# Altium PCB 电解模块主控板_V1.1_ZM_20211015.PcbDoc (part 3 of 4)
Units mm, origin at the board's own origin, x right, y up, seen from the top; angles counter-clockwise.
Board outline 150.25 x 100.26 mm, 2 copper layers (Top Layer, Bottom Layer); 200 components, 151 nets, 656 pads, 1528 vias.
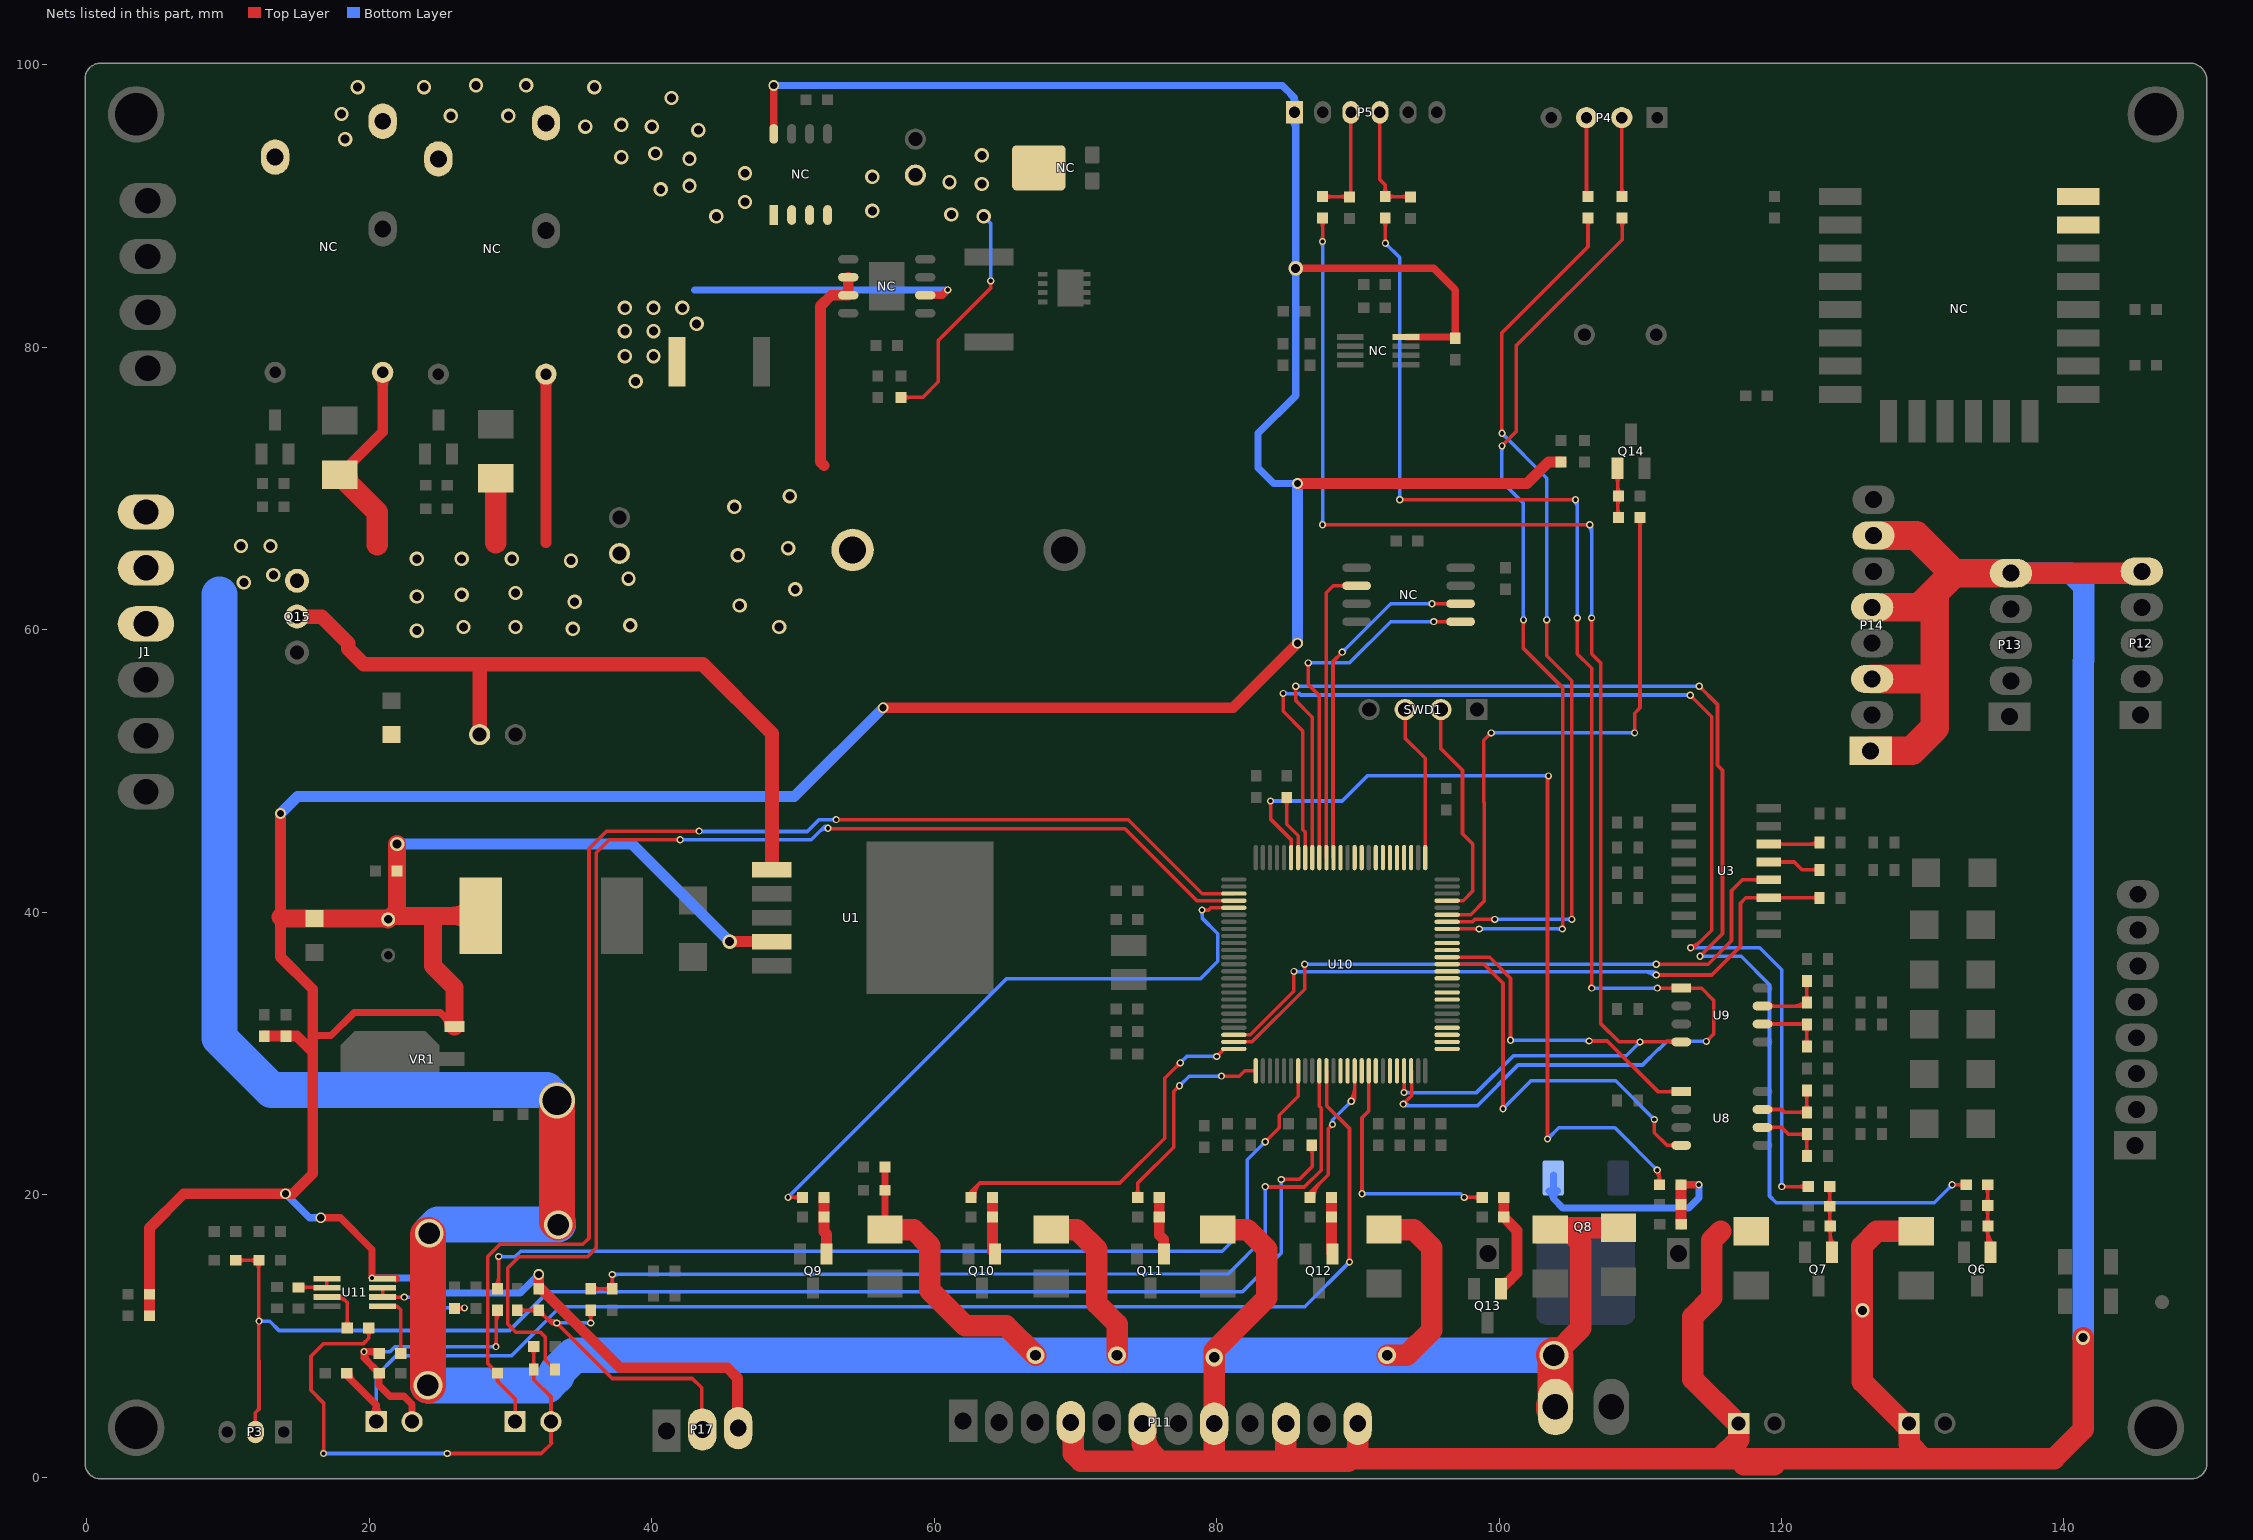
[diagram p3: the nets of this part, all layers, seen from the top]

## Via types
v1: diameter 0.762, hole 0.508, Top Layer to Bottom Layer, tented both sides, 1181 vias
v2: diameter 1.016, hole 0.635, Top Layer to Bottom Layer, tented both sides, 189 vias
v3: diameter 0.508, hole 0.305, Top Layer to Bottom Layer, tented both sides, 149 vias
v4: diameter 2.032, hole 1.524, Top Layer to Bottom Layer, tented both sides, 4 vias
v5: diameter 1.27, hole 0.762, Top Layer to Bottom Layer, tented both sides, 4 vias
v6: diameter 2.54, hole 2.032, Top Layer to Bottom Layer, tented both sides, 1 vias

## Nets (pads, with @x,y where several pads share a name; then routed paths per layer and width w, separated by ;. In a path a pad name is that pad's centre, name@x,y a point inside that pad or via, vN(x,y) a via of type N, cw(c..) or ccw(c..) an arc to the next point about the centre after c; other vN are vias at no path point) (continued)
NetNC_2: NC.2@84.709,78.74 NC.7@49.911,95.123 | length 57.1
  Top Layer w0.254: NC.7@49.776,95.639 ccw(c49.451,95.964) 49.911,95.964 ccw(c50.371,95.964) NC.7@50.046,95.639 ; v3@49.821,96.303 cw(c49.604,96.086) 49.911,96.086 cw(c50.218,96.086) v3@50.001,96.303 ; NC.7@49.911,95.123 v3(49.911,96.393) ; v3@82.079,96.303 cw(c81.862,96.086) 82.169,96.086 cw(c82.476,96.086) v3@82.259,96.303 ; v3(82.169,96.393) 82.169,79.121 82.55,78.74 NC.2@84.709,78.74 ; NC.2@84.529,78.56 ccw(c84.096,78.127) 84.096,78.74 ccw(c84.096,79.353) NC.2@84.529,78.92
  Bottom Layer w0.254: v3(49.911,96.393) v3(82.169,96.393) ; v3@50.001,96.303 cw(c50.218,96.086) 50.218,96.393 cw(c50.218,96.7) v3@50.001,96.483 ; v3@82.079,96.303 ccw(c81.862,96.086) 81.862,96.393 ccw(c81.862,96.7) v3@82.079,96.483
NetNC_2: NC.2@119.507,89.154 NC.3@124.155,86.678 | length 7.7
  Top Layer w0.254: NC.2@119.327,88.955 cw(c118.894,88.522) 119.507,88.522 cw(c120.12,88.522) NC.2@119.687,88.955 ; NC.2@119.507,89.154 119.507,87.376 120.205,86.678 NC.3@124.155,86.678
NetNC_2: NC.2@145.034,82.677 NC.18 | length 5
  Top Layer w0.254: NC.18@141.021,82.678 NC.2@145.034,82.677 NC.2@145.034,82.677 ; 144.399,82.678 cw(c144.399,82.061) NC.2@144.835,82.497 ; 144.404,82.678 ccw(c144.404,83.288) NC.2@144.835,82.857
NetNC_2: NC.2@89.916,63.119 U10.90 | length 21.8
  Top Layer w0.254: U10.90@87.773,43.872 87.773,62.627 88.265,63.119 NC.2@89.916,63.119 ; NC.2@89.079,62.993 ccw(c88.776,62.69) 88.776,63.119 ccw(c88.776,63.548) NC.2@89.079,63.245
NetNC_5: NC.5@97.282,60.579 U10.91 | length 28.7
  Top Layer w0.254: v3@86.397,57.568 cw(c86.18,57.351) 86.487,57.351 cw(c86.794,57.351) v3@86.577,57.568 ; v3(86.487,57.658) 86.487,56.134 87.273,55.348 U10.91@87.273,43.872 ; v3(95.377,60.579) NC.5@97.282,60.579 ; v3@95.467,60.489 cw(c95.684,60.272) 95.684,60.579 cw(c95.684,60.886) v3@95.467,60.669 ; NC.5@96.445,60.453 ccw(c96.142,60.15) 96.142,60.579 ccw(c96.142,61.008) NC.5@96.445,60.705
  Bottom Layer w0.254: v3(86.487,57.658) 89.408,57.658 92.329,60.579 v3(95.377,60.579) ; v3@86.577,57.568 cw(c86.794,57.351) 86.794,57.658 cw(c86.794,57.965) v3@86.577,57.748 ; v3@95.287,60.489 ccw(c95.07,60.272) 95.07,60.579 ccw(c95.07,60.886) v3@95.287,60.669
NetNC_6: NC.6@97.282,61.849 U10.89 | length 27.2
  Top Layer w0.254: U10.89@88.273,43.872 88.24,43.905 88.24,57.76 v3(88.9,58.42) ; v3@88.773,58.42 cw(c88.466,58.42) 88.683,58.203 cw(c88.9,57.986) v3@88.9,58.293 ; v3(95.25,61.849) NC.6@97.282,61.849 ; v3@95.34,61.759 cw(c95.557,61.542) 95.557,61.849 cw(c95.557,62.156) v3@95.34,61.939 ; NC.6@96.445,61.723 ccw(c96.142,61.42) 96.142,61.849 ccw(c96.142,62.278) NC.6@96.445,61.975
  Bottom Layer w0.254: v3(88.9,58.42) 92.329,61.849 v3(95.25,61.849) ; v3@88.9,58.547 ccw(c88.9,58.854) 89.117,58.637 ccw(c89.334,58.42) v3@89.027,58.42 ; v3@95.16,61.759 ccw(c94.943,61.542) 94.943,61.849 ccw(c94.943,62.156) v3@95.16,61.939
NetNC_21: NC.21
NetNC_22: NC.22
NetP1_1: P1.1 TVS5.2 U10.36 | length 97.4
  Top Layer w0.254: U10.36@87.773,28.772 87.808,28.737 87.808,26.289 89.408,24.689 v3(89.408,15.24) ; v3@89.318,15.33 ccw(c89.101,15.547) 89.408,15.547 ccw(c89.715,15.547) v3@89.498,15.33
  Top Layer w0.508: TVS5.2@18.415,7.366 18.415,7.188 20.498,5.105 ; TVS5.2@18.561,7.366 ccw(c19.343,7.366) 18.79,6.813 ; P1.1@20.153,4.294 ccw(c19.37,5.105) 20.498,5.105 ; P1.1@20.498,3.937 20.498,5.105 ; P1.1@20.842,4.294 cw(c21.626,5.105) 20.498,5.105
  Bottom Layer w0.254: P1.1@20.498,3.937 20.498,7.188 21.895,8.585 30.048,8.585 33.528,12.065 86.233,12.065 v3(89.408,15.24) ; v3@89.281,15.24 cw(c88.974,15.24) 89.191,15.023 cw(c89.408,14.806) v3@89.408,15.113
NetP1_2: P1.2 R14.2 R16.1 TVS6.2 | length 24
  Top Layer w0.254: v3@28.892,9.335 ccw(c28.675,9.552) 28.981,9.552 ccw(c29.288,9.552) v3@29.071,9.335 ; R14.2@28.903,11.612 cw(c28.715,11.424) R14.2@28.981,11.424 ; v3(28.981,9.246) 28.981,11.709 R14.2@29.083,11.811 ; 28.981,10.934 cw(c29.941,10.934) R14.2@29.263,11.612
  Top Layer w0.508: 19.957,8.11 cw(c20.738,8.89) v3(19.634,8.89) ; 20.069,8.89 cw(c20.069,8.15) R16.1@20.592,8.673 ; R16.1@20.701,8.763 20.574,8.89 v3(19.634,8.89) ; P1.2@23.038,3.937 23.038,5.156 22.466,5.728 21.467,5.728 20.701,6.494 TVS6.2@20.701,7.366 19.634,8.433 v3(19.634,8.89)
  Bottom Layer w0.254: v3(19.634,8.89) 21.463,8.89 21.819,9.246 v3(28.981,9.246) ; v3@19.724,8.8 cw(c19.941,8.583) 19.941,8.89 cw(c19.941,9.197) v3@19.724,8.98 ; v3@28.892,9.156 ccw(c28.675,8.939) 28.675,9.246 ccw(c28.675,9.552) v3@28.892,9.335
NetP2_1: P2.1 TVS7.2 U10.3 | length 99.1
  Top Layer w0.254: TVS7.2@28.91,7.18 cw(c28.538,6.782) 29.083,6.782 ; TVS7.2@29.256,7.18 ccw(c29.628,6.782) 29.083,6.782 ; P2.1@30.328,3.937 30.328,5.537 29.083,6.782 ; v3@43.268,45.656 ccw(c43.051,45.439) 43.051,45.745 ccw(c43.051,46.052) v3@43.268,45.835 ; v3(43.358,45.745) 36.805,45.745 35.56,44.501 35.56,16.916 35.128,16.485 29.261,16.485 28.397,15.621 28.397,8.052 TVS7.2@29.083,7.366 29.083,6.782 ; v3(53.061,46.558) 73.736,46.558 78.972,41.322 U10.3@81.223,41.322 ; v3@53.15,46.468 cw(c53.367,46.252) 53.367,46.558 cw(c53.367,46.865) v3@53.15,46.648
  Bottom Layer w0.254: v3(43.358,45.745) 43.383,45.72 51.003,45.72 51.841,46.558 v3(53.061,46.558) ; v3@43.448,45.835 ccw(c43.726,46.113) 43.726,45.72 ; v3@52.971,46.468 ccw(c52.754,46.252) 52.754,46.558 ccw(c52.754,46.865) v3@52.971,46.648
NetP2_2: P2.2 R23.2 R25.1 TVS12.2 | length 42
  Top Layer w0.254: v3@16.674,1.766 ccw(c16.457,1.983) 16.764,1.983 ccw(c17.071,1.983) v3@16.854,1.766 ; v3(16.764,1.676) 16.764,5.258 15.875,6.147 15.875,8.56 16.777,9.461 19.596,9.461 19.964,9.83 R25.1@19.964,10.566 ; R25.1@19.785,10.387 cw(c19.351,9.953) 19.964,9.953 cw(c20.578,9.953) R25.1@20.144,10.387 ; v3(25.527,1.676) 32.182,1.676 32.918,2.413 32.868,2.464 P2.2@32.868,3.937 32.868,5.688 31.647,6.909 R23.2@31.647,7.62 ; v3@25.617,1.587 cw(c25.834,1.37) 25.834,1.676 cw(c25.834,1.983) v3@25.617,1.766 ; TVS12.2@31.469,9.066 cw(c31.035,8.632) 31.648,8.632 cw(c32.262,8.632) TVS12.2@31.828,9.066 ; R23.2@31.489,7.387 cw(c31.109,7.007) 31.647,7.007 cw(c32.185,7.007) R23.2@31.805,7.387 ; R23.2@31.489,7.853 ccw(c31.105,8.237) 31.648,8.237 ; R23.2@31.648,7.62 TVS12.2@31.648,9.246 ; 31.648,8.23 ccw(c32.182,8.23) R23.2@31.805,7.853
  Bottom Layer w0.254: v3(16.764,1.676) v3(25.527,1.676) ; v3@16.854,1.587 cw(c17.071,1.37) 17.071,1.676 cw(c17.071,1.983) v3@16.854,1.766 ; v3@25.437,1.587 ccw(c25.22,1.37) 25.22,1.676 ccw(c25.22,1.983) v3@25.437,1.766
NetP3_2: P3.2 R6.2 R8.1 TVS2.2 | length 104.1
  Top Layer w0.254: TVS2.2@10.541,15.367 R6.2@12.192,15.367 12.167,15.342 12.167,8.284 12.192,8.259 12.192,4.826 11.938,4.572 P3.2@11.938,3.2 ; TVS2.2@10.74,15.187 cw(c11.173,14.754) 11.173,15.367 cw(c11.173,15.98) TVS2.2@10.74,15.547 ; R6.2@11.993,15.547 cw(c11.56,15.98) 11.56,15.367 cw(c11.56,14.754) 11.993,15.187 cw(c11.575,14.769) 12.167,14.769 ; 12.167,10.681 cw(c12.56,10.681) v3@12.282,10.959 ; 12.167,11.417 ccw(c12.56,11.417) v3@12.282,11.139 ; 12.167,14.738 cw(c12.802,14.738) R6.2@12.353,15.187 ; v3(84.582,21.082) 85.852,21.082 86.766,21.996 86.766,23.47 R8.1@86.741,23.495 ; v3@84.672,20.992 cw(c84.889,20.775) 84.889,21.082 cw(c84.889,21.389) v3@84.672,21.172 ; R8.1@86.561,23.296 cw(c86.066,22.801) 86.766,22.801 ; 86.766,22.924 cw(c87.293,22.924) R8.1@86.921,23.296
  Bottom Layer w0.254: v3(12.192,11.049) 12.954,11.049 13.614,10.389 29.934,10.389 32.69,13.144 81.852,13.144 84.582,15.875 v3(84.582,21.082) ; v3@12.282,10.959 cw(c12.499,10.742) 12.499,11.049 cw(c12.499,11.356) v3@12.282,11.139 ; v3@84.492,20.992 cw(c84.275,20.775) 84.582,20.775 cw(c84.889,20.775) v3@84.672,20.992
NetP4_2: P4.2 R11.1 | length 6.6
  Top Layer w0.254: R11.1@108.532,90.877 ccw(c108.147,91.262) 108.692,91.262 ; 108.692,91.358 ccw(c109.373,91.358) R11.1@108.892,90.877 ; P4.2@108.692,96.266 108.692,90.698 R11.1@108.712,90.678
NetP4_3: P4.3 R9.1 | length 5.6
  Top Layer w0.254: P4.3@106.192,96.266 106.192,90.785 R9.1@106.299,90.678
NetP5_3: P5.3 R10.1 TVS3.2 | length 9.9
  Top Layer w0.254: R10.1@87.503,90.678 89.383,90.678 TVS3.2@89.408,90.653 89.511,90.755 P5.3@89.511,96.641 ; R10.1@87.683,90.498 cw(c88.116,90.065) 88.116,90.678 cw(c88.116,91.291) R10.1@87.683,90.858 ; 88.779,90.678 cw(c88.779,90.043) TVS3.2@89.228,90.492 ; 88.81,90.678 ccw(c88.81,91.269) TVS3.2@89.228,90.851
NetP5_4: P5.4 R12.1 TVS4.2 | length 10.8
  Top Layer w0.254: P5.4@91.561,96.641 91.561,91.884 91.928,91.516 91.928,90.698 R12.1@91.948,90.678 93.701,90.678 TVS4.2@93.726,90.653 ; R12.1@91.768,90.877 ccw(c91.383,91.262) 91.928,91.262 ; 91.928,91.358 ccw(c92.609,91.358) R12.1@92.128,90.877 ; R12.1@92.128,90.498 cw(c92.561,90.065) 92.561,90.678 cw(c92.561,91.291) R12.1@92.128,90.858 ; 93.097,90.678 cw(c93.097,90.043) TVS4.2@93.546,90.492 ; 93.128,90.678 ccw(c93.128,91.269) TVS4.2@93.546,90.851
NetP17_2: P17.2 R19.1 R50.2 TVS11.2 | length 28.6
  Top Layer w0.254: TVS11.2@30.48,11.811 R50.2@32.004,11.811 32.893,10.922 v3(33.274,10.922) 37.211,6.985 42.875,6.985 43.536,6.325 P17.2@43.536,4.091 ; TVS11.2@30.66,11.631 cw(c31.093,11.198) 31.093,11.811 cw(c31.093,12.424) TVS11.2@30.66,11.991 ; R50.2@31.824,11.631 ccw(c31.391,11.198) 31.391,11.811 ccw(c31.391,12.424) R50.2@31.824,11.991 ; R50.2@32.004,11.538 cw(c32.004,10.879) 32.47,11.345 ; R50.2@32.258,11.792 ccw(c32.825,11.792) 32.424,11.391 ; 32.407,11.408 ccw(c33.274,12.275) v3@33.274,11.049 ; 32.84,10.975 ccw(c33.274,11.408) 33.274,10.795 cw(c33.274,10.488) 33.491,10.705 cw(c33.708,10.922) v3@33.401,10.922 ; v3@33.184,10.832 ccw(c32.967,10.615) 32.967,10.922 ccw(c32.967,11.229) v3@33.184,11.012 ; R19.1@35.507,11.612 cw(c35.074,11.179) 35.687,11.179 cw(c36.3,11.179) R19.1@35.867,11.612 ; v3@35.597,11.012 ccw(c35.38,11.229) 35.687,11.229 ccw(c35.994,11.229) v3@35.777,11.012 ; v3(35.687,10.922) R19.1@35.687,11.811
  Bottom Layer w0.254: v3(33.274,10.922) v3(35.687,10.922) ; v3@33.364,10.832 cw(c33.581,10.615) 33.581,10.922 cw(c33.581,11.229) v3@33.364,11.012 ; v3@35.597,10.832 ccw(c35.38,10.615) 35.38,10.922 ccw(c35.38,11.229) v3@35.597,11.012
NetQ6_1: Q6.1 R31.1 R34.1 TVS8.2 | length 11.5
  Top Layer w0.254: R34.1@134.415,19.061 cw(c133.981,18.627) 134.595,18.627 cw(c135.208,18.627) R34.1@134.774,19.061 ; R34.1@134.415,19.42 ccw(c133.981,19.854) 134.595,19.854 ccw(c135.208,19.854) R34.1@134.774,19.42 ; R31.1@134.415,20.521 cw(c133.981,20.088) 134.595,20.088 cw(c135.208,20.088) R31.1@134.774,20.521 ; TVS8.2@134.421,17.6 cw(c134.003,17.182) 134.595,17.182 ; TVS8.2@134.421,17.96 ccw(c134.003,18.378) 134.595,18.378 ; 134.595,16.878 ccw(c135.429,16.878) Q6.1@134.839,16.288 ; 134.595,17.151 cw(c135.23,17.151) TVS8.2@134.781,17.6 ; TVS8.2@134.595,17.492 ccw(c136.043,17.492) Q6.1@135.019,16.468 ; 134.595,18.409 ccw(c135.23,18.409) TVS8.2@134.781,17.96 ; R31.1@134.595,20.701 R34.1@134.595,19.241 134.595,16.145 Q6.1@134.808,15.932
NetQ7_1: Q7.1 R32.1 R35.1 TVS9.2 | length 11.1
  Top Layer w0.254: R35.1@123.239,18.997 cw(c122.805,18.564) 123.419,18.564 cw(c124.032,18.564) R35.1@123.598,18.997 ; R35.1@123.239,19.357 ccw(c122.805,19.79) 123.419,19.79 ccw(c124.032,19.79) R35.1@123.598,19.357 ; R32.1@123.239,20.394 cw(c122.805,19.961) 123.419,19.961 cw(c124.032,19.961) R32.1@123.598,20.394 ; TVS9.2@123.245,17.96 ccw(c122.827,18.378) 123.419,18.378 ; TVS9.2@123.264,17.6 cw(c122.831,17.167) 123.444,17.167 cw(c124.057,17.167) TVS9.2@123.624,17.6 ; Q7.1@123.358,16.468 ccw(c123.15,16.676) Q7.1@123.444,16.676 ; 123.419,18.409 ccw(c124.054,18.409) TVS9.2@123.605,17.96 ; R32.1@123.419,20.574 R35.1@123.419,19.177 123.419,17.805 TVS9.2@123.444,17.78 123.444,16.056 Q7.1@123.568,15.932 ; Q7.1@123.444,16.664 ccw(c123.975,16.664) Q7.1@123.6,16.288 ; 123.444,17.277 ccw(c124.588,17.277) Q7.1@123.779,16.468
NetQ8_1: Q8.1 R33.1 R36.1 TVS10.2 | length 18.9
  Top Layer w0.508: R33.1@112.878,20.701 v3(114.148,20.701)
  Top Layer w0.762: R33.1@112.878,20.701 R36.1@112.878,19.304 112.878,17.932 TVS10.2@112.903,17.907
  Bottom Layer w0.508: Q8.1@103.556,20.274 cw(c103.182,19.724) 103.847,19.724 ; Q8.1@103.847,21.403 103.847,19.724 ; Q8.1@104.129,20.284 ccw(c104.542,19.724) 103.847,19.724 ; v3(114.148,20.701) 114.148,19.787 113.411,19.05 104.521,19.05 103.847,19.724
NetQ9_1: Q9.1 R37.1 R42.1 | length 4.1
  Top Layer w0.762: R37.1@52.197,19.812 R42.1@52.197,18.415 52.197,17.399 52.385,17.211 Q9.1@52.385,15.805
NetQ10_1: Q10.1 R38.1 R43.1 | length 4.7
  Top Layer w0.762: 64.135,16.69 ccw(c64.883,16.69) Q10.1@64.354,16.161 ; R38.1@64.135,19.812 R43.1@64.135,18.415 64.135,15.993 Q10.1@64.323,15.805
NetQ11_1: Q11.1 R39.1 R44.1 | length 4.1
  Top Layer w0.762: R39.1@75.946,19.812 R44.1@75.946,18.415 75.946,17.145 76.261,16.83 Q11.1@76.261,15.805
NetQ12_1: Q12.1 R40.1 R45.1 | length 4
  Top Layer w0.762: R40.1@88.138,19.812 R45.1@88.138,18.415 88.138,15.866 Q12.1@88.199,15.805
NetQ13_1: Q13.1 R41.1 R46.1 | length 8
  Top Layer w0.762: Q13.1@100.137,13.341 101.27,14.474 101.27,17.475 R46.1@100.33,18.415 R41.1@100.33,19.812 ; Q13.1@100.137,13.71 ccw(c100.137,14.601) 100.767,13.971
NetQ14_1: Q14.1 R57.2 R59.1 | length 7.5
  Top Layer w0.254: Q14.1@108.186,70.908 cw(c107.678,70.4) 108.397,70.4 cw(c109.116,70.4) Q14.1@108.608,70.908 ; R57.2@108.259,68.125 ccw(c107.927,68.457) 108.397,68.457 ; R59.1@108.259,69.289 cw(c107.927,68.957) 108.397,68.957 ; R59.1@108.259,69.649 ccw(c107.927,69.981) 108.397,69.981 ; 108.397,68.66 ccw(c109.154,68.66) R57.2@108.619,68.125 ; 108.397,68.754 cw(c109.154,68.754) R59.1@108.619,69.289 ; 108.397,70.184 ccw(c109.154,70.184) R59.1@108.619,69.649 ; Q14.1@108.397,71.444 108.397,68.006 R57.2@108.458,67.945
NetR9_2: R9.2 U10.69 | length 68
  Top Layer w0.254: U10.69@96.323,39.322 98.123,39.322 98.298,39.497 v3(99.695,39.497) ; v3@99.605,39.407 ccw(c99.388,39.19) 99.388,39.497 ccw(c99.388,39.804) v3@99.605,39.587 ; v3@100.113,74.004 ccw(c99.896,74.221) 100.203,74.221 ccw(c100.51,74.221) v3@100.293,74.004 ; v3(100.203,73.914) 100.203,81.026 106.299,87.122 R9.2@106.299,89.154 ; v3@103.288,60.616 cw(c103.071,60.399) 103.378,60.399 cw(c103.685,60.399) v3@103.468,60.616 ; v3(103.378,60.706) 103.378,58.166 105.156,56.388 v3(105.156,39.497) ; v3@105.066,39.587 ccw(c104.849,39.804) 105.156,39.804 ccw(c105.463,39.804) v3@105.246,39.587 ; R9.2@106.119,88.955 cw(c105.686,88.522) 106.299,88.522 cw(c106.912,88.522) R9.2@106.479,88.955
  Bottom Layer w0.254: v3(99.695,39.497) v3(105.156,39.497) ; v3@99.785,39.407 cw(c100.002,39.19) 100.002,39.497 cw(c100.002,39.804) v3@99.785,39.587 ; v3@100.203,73.787 cw(c100.203,73.48) 100.42,73.697 cw(c100.637,73.914) v3@100.33,73.914 ; v3(100.203,73.914) 103.378,70.739 v3(103.378,60.706) ; v3@103.288,60.796 ccw(c103.071,61.013) 103.378,61.013 ccw(c103.685,61.013) v3@103.468,60.796 ; v3@105.066,39.407 ccw(c104.849,39.19) 104.849,39.497 ccw(c104.849,39.804) v3@105.066,39.587
NetR11_2: R11.2 U10.68 | length 68.5
  Top Layer w0.254: U10.68@96.323,38.822 v3(98.592,38.822) ; v3@98.502,38.732 ccw(c98.285,38.515) 98.285,38.822 ccw(c98.285,39.129) v3@98.502,38.912 ; v3(100.203,73.025) 101.219,74.041 101.219,80.137 108.712,87.63 R11.2@108.712,89.154 ; v3@100.203,73.152 ccw(c100.203,73.459) 100.42,73.242 ccw(c100.637,73.025) v3@100.33,73.025 ; v3@101.637,60.616 cw(c101.42,60.399) 101.727,60.399 cw(c102.034,60.399) v3@101.817,60.616 ; v3(101.727,60.706) 101.727,58.674 104.521,55.88 104.521,38.862 v3(104.481,38.822) ; v3@104.391,38.912 ccw(c104.078,39.225) 104.521,39.225 ; R11.2@108.532,88.955 cw(c108.099,88.522) 108.712,88.522 cw(c109.325,88.522) R11.2@108.892,88.955
  Bottom Layer w0.254: v3(98.592,38.822) v3(104.481,38.822) ; v3@98.682,38.732 cw(c98.899,38.515) 98.899,38.822 cw(c98.899,39.129) v3@98.682,38.912 ; v3@100.113,72.935 cw(c99.896,72.718) 100.203,72.718 cw(c100.51,72.718) v3@100.293,72.935 ; v3(100.203,73.025) 100.203,70.485 101.727,68.961 v3(101.727,60.706) ; v3@101.637,60.796 ccw(c101.42,61.013) 101.727,61.013 ccw(c102.034,61.013) v3@101.817,60.796 ; v3@104.391,38.732 ccw(c104.174,38.515) 104.174,38.822 ccw(c104.174,39.129) v3@104.391,38.912
NetR14_1: R14.1 U10.32 | length 71.6
  Top Layer w0.254: R14.1@28.903,13.534 ccw(c28.286,14.151) 29.159,14.151 ; v3@29.069,15.531 cw(c28.853,15.314) 29.159,15.314 cw(c29.466,15.314) v3@29.249,15.531 ; R14.1@29.083,13.335 29.159,13.411 v3(29.159,15.621) ; 29.159,13.783 ccw(c29.512,13.783) R14.1@29.263,13.534 ; v3(83.439,23.749) 84.43,24.74 84.43,25.629 85.773,26.972 U10.32@85.773,28.772 ; v3@83.439,23.876 ccw(c83.439,24.183) 83.656,23.966 ccw(c83.873,23.749) v3@83.566,23.749
  Bottom Layer w0.254: v3(29.159,15.621) 30.353,15.621 30.734,16.002 80.391,16.002 82.169,17.78 82.169,22.479 v3(83.439,23.749) ; v3@29.249,15.531 cw(c29.466,15.314) 29.466,15.621 cw(c29.466,15.928) v3@29.249,15.711 ; v3@83.312,23.749 cw(c83.005,23.749) 83.222,23.532 cw(c83.439,23.315) v3@83.439,23.622
NetR16_2: R16.2 U11.5 | length 5.9
  Top Layer w0.254: U11.5@20.949,12.106 21.981,12.106 22.225,11.862 R16.2@22.225,8.763 ; U11.5@21.728,12.039 cw(c21.871,11.714) 22.122,11.965 ; R16.2@22.045,8.943 ccw(c21.612,9.376) 22.225,9.376 ccw(c22.838,9.376) R16.2@22.405,8.943
NetR18_2: R18.2 U11.6 U11.7 | length 9.4
  Top Layer w0.254: U11.6@20.949,12.756 U11.7@20.949,13.406 ; 21.914,12.756 21.919,12.751 v3(22.479,12.751) ; v3@22.389,12.661 ccw(c22.172,12.444) 22.172,12.751 ccw(c22.172,13.057) v3@22.389,12.841 ; R18.2@26.035,11.938 26.086,11.989 v3(26.746,11.989) ; R18.2@26.215,11.777 cw(c26.725,11.267) v3@26.725,11.989 ; R18.2@26.215,12.137 ccw(c26.571,12.493) v3@26.571,11.989 ; v3@26.656,11.899 ccw(c26.44,11.682) 26.44,11.989 ccw(c26.44,12.295) v3@26.656,12.079
  Bottom Layer w0.254: v3(22.479,12.751) 24.323,12.751 24.328,12.756 25.095,11.989 v3(26.746,11.989) ; v3@22.569,12.661 cw(c22.786,12.444) 22.786,12.751 cw(c22.786,13.057) v3@22.569,12.841 ; v3@26.656,11.899 ccw(c26.44,11.682) 26.44,11.989 ccw(c26.44,12.295) v3@26.656,12.079
NetR19_2: R19.2 R22.2 U10.35 | length 69.5
  Top Layer w0.254: R19.2@35.687,13.335 R22.2@37.211,13.335 v3(37.211,14.351) ; R19.2@35.867,13.155 cw(c36.3,12.722) 36.3,13.335 cw(c36.3,13.948) R19.2@35.867,13.515 ; R22.2@37.031,13.155 ccw(c36.598,12.722) 36.598,13.335 ccw(c36.598,13.948) R22.2@37.031,13.515 ; R22.2@37.031,13.534 ccw(c36.598,13.967) 37.211,13.967 ccw(c37.824,13.967) R22.2@37.391,13.534 ; v3@37.121,14.261 cw(c36.904,14.044) 37.211,14.044 cw(c37.518,14.044) v3@37.301,14.261 ; v3(83.439,20.574) 83.464,20.549 86.208,20.549 87.401,21.742 87.401,26.137 87.273,26.265 U10.35@87.273,28.772 ; v3@83.529,20.664 ccw(c83.807,20.942) 83.807,20.549
  Bottom Layer w0.254: v3(37.211,14.351) 80.835,14.414 83.439,17.018 v3@83.439,20.447 ; v3@37.301,14.261 cw(c37.518,14.045) 37.518,14.351 cw(c37.517,14.658) v3@37.301,14.441 ; v3@83.349,20.484 cw(c83.132,20.267) 83.439,20.267 cw(c83.746,20.267) v3@83.529,20.484
NetR23_1: R23.1 U10.4 | length 95.1
  Top Layer w0.254: R23.1@33.147,7.62 32.461,8.306 32.461,9.931 32.131,10.262 30.378,10.262 29.82,10.82 29.82,14.834 30.582,15.596 35.433,15.596 36.068,16.231 36.068,44.221 36.982,45.136 v3(42.012,45.136) ; v3@41.922,45.046 ccw(c41.705,44.829) 41.705,45.136 ccw(c41.705,45.442) v3@41.922,45.226 ; v3(52.476,45.949) 52.502,45.923 73.508,45.923 78.609,40.822 U10.4@81.223,40.822 ; v3@52.566,46.038 ccw(c52.844,46.317) 52.844,45.923
  Bottom Layer w0.254: v3(42.012,45.136) 51.308,45.136 52.121,45.949 v3(52.476,45.949) ; v3@42.101,45.046 cw(c42.318,44.829) 42.318,45.136 cw(c42.318,45.442) v3@42.101,45.226 ; 51.943,45.771 cw(c52.223,45.491) v3@52.415,45.837 ; 52.182,46.009 cw(c52.393,45.798) v3@52.538,46.06 ; v3@52.387,45.859 ccw(c52.17,45.642) 52.17,45.949 ccw(c52.17,46.255) v3@52.387,46.038
NetR24_2: R24.2 U11.1 U11.2 | length 3.7
  Top Layer w0.254: R24.2@14.986,13.438 U11.2@16.999,13.438 ; R24.2@15.219,13.28 cw(c15.599,12.9) 15.599,13.438 cw(c15.599,13.976) R24.2@15.219,13.596 ; 15.995,13.438 cw(c15.995,13.153) U11.2@16.197,13.354 ; U11.2@16.999,13.406 U11.2@16.999,13.438 ; U11.1@16.999,14.056 U11.2@16.999,13.438
NetR25_2: R25.2 U11.3 | length 5.6
  Top Layer w0.254: U11.3@16.999,12.756 18.054,12.756 18.44,12.37 R25.2@18.44,10.566 ; U11.3@17.749,12.683 cw(c17.749,11.769) 18.395,12.415 ; U11.3@17.777,12.689 cw(c17.928,12.325) 18.207,12.603 ; R25.2@18.261,10.746 ccw(c17.827,11.18) 18.44,11.18 ccw(c19.054,11.18) R25.2@18.62,10.746